# Altium PCB JacdacKeycapButtonBc30 135.PcbDoc (continued)
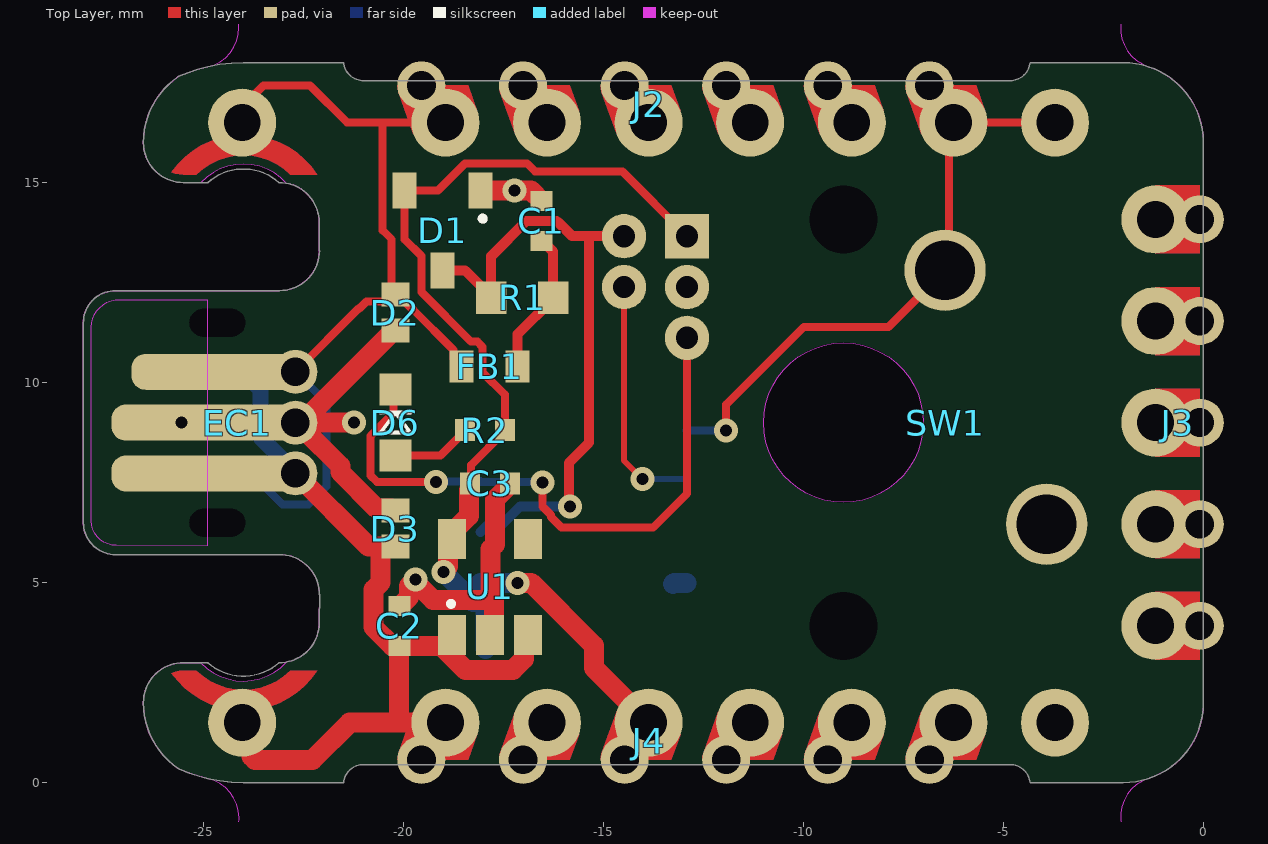
[diagram p0: Top Layer view]
## Footprints (in the part's own frame and the unit in brackets; to place one, negate y for a bottom-side part, rotate by r counter-clockwise, add the part's x,y. Pads: shape width x height; smd on the part's side, far side on the other; paste and mask are expansions set on the pad) (continued)
  Bottom Layer region: 9.631,7.786 9.273,7.658 9.16,7.835 8.982,7.945 8.774,7.967 8.577,7.896 8.43,7.747 8.363,7.55 8.387,7.342 8.387,7.342 8.029,7.214 7.651,8.272 7.635,8.35 7.63,8.43 7.63,8.43 7.87,8.43 7.906,8.274 8.006,8.149 8.15,8.079 8.31,8.079 8.454,8.149 8.554,8.274 8.59,8.43 8.59,8.43 9.399,8.43
  Bottom Layer region: 4.551,7.786 4.193,7.658 4.08,7.835 3.902,7.945 3.694,7.967 3.497,7.896 3.35,7.747 3.283,7.55 3.307,7.342 3.307,7.342 2.949,7.214 2.571,8.272 2.555,8.35 2.55,8.43 2.55,8.43 2.79,8.43 2.826,8.274 2.926,8.149 3.07,8.079 3.23,8.079 3.374,8.149 3.474,8.274 3.51,8.43 3.51,8.43 4.319,8.43
  Bottom Layer region: 7.091,7.786 6.733,7.658 6.62,7.835 6.442,7.945 6.234,7.967 6.037,7.896 5.89,7.747 5.823,7.55 5.847,7.342 5.847,7.342 5.489,7.214 5.111,8.272 5.095,8.35 5.09,8.43 5.09,8.43 5.33,8.43 5.366,8.274 5.466,8.149 5.61,8.079 5.77,8.079 5.914,8.149 6.014,8.274 6.05,8.43 6.05,8.43 6.859,8.43
  body extent -2.19,6.64 19.85,8.44, height 0
JACDAC_EDGE_CONNECTOR_NO_TRACES_3D_PADS [mm] "Jacdac 3 pin connector with no traces and with 3D bodies for the copper"
  rrect78% 0.9x2.9 smd far side paste-1 mask+0: 1(-1.27,3.2)
  rrect78% 0.9x4.3 smd paste-1 mask+0: 1(1.27,2.5)
  round 1.1 hole 0.71 paste-0.254 mask+0: 1(1.27,0.55) 2(0,0.55) 3(-1.27,0.55)
  rrect78% 0.9x3.4 smd far side paste-1 mask+0: 2(0,3.45) 2(0,3.45) 3(1.27,3.45)
  rrect78% 0.9x4.8 smd paste-1 mask+0: 2(0,2.75) 3(-1.27,2.75)
  round 0 hole 0.7 slot 1.4 at 90 deg unplated mask+0: ""(-2.5,2.5) ""(2.5,2.5)
  Top Layer keep-out region: -3.075,2.75 -3.07,5.033 -2.987,5.341 -2.761,5.567 -2.453,5.65 -2.453,5.65 2.27,5.65 2.545,5.635 2.794,5.516 2.978,5.31 3.07,5.05 3.07,5.05 3.07,2.75
  Bottom Layer lines w0.2: -1.27,0.85 -1.126,0.85
  Bottom Layer keep-out region: -3.07,2.75 -3.07,5.033 -3.023,5.269 -2.889,5.469 -2.689,5.603 -2.453,5.65 -2.453,5.65 2.27,5.65 2.546,5.635 2.794,5.516 2.978,5.31 3.07,5.05 3.07,5.05 3.07,2.75
  body extent -1.83,0 1.83,5.15, height 0.01
MX1A-11NW [mil] "Mechanical keyswitch mount SPST"
  round 80 hole 59 paste-10: 1(-150,100) 2(100,200)
  round 0 hole 67 unplated paste-10: 3(-200,0) 3(200,0)
  round 0 hole 157.48 unplated paste-10: 3(0,0)
  Keep-Out Layer board cut-out: 0,-78.5 -30.04,-72.52 -55.51,-55.51 -72.52,-30.04 -78.5,0 -78.5,0 -72.52,30.04 -55.51,55.51 -30.04,72.52 0,78.5 0,78.5 30.04,72.52 55.51,55.51 72.52,30.04 78.5,0 78.5,0 72.52,-30.04 55.51,-55.51 30.04,-72.52 0,-78.5
  body extent -307,-307 307,307, height 598
"NXP-BAT54S-TO-236AB - WITHOUT OUTLINE" [mm] "SOT23, 3-Leads, Body 2.90x2.30mm, Pitch 0.95mm, IPC Medium Density"
  rect 0.9x0.6 smd: 1(-1,0.95) 2(-1,-0.95) 3(1,0)
  silkscreen extent -0.35,0.95 -0.25,1.05, body extent -1.32,-1.5 1.32,1.5, height 1.12
"ON_SEMI-SOT23-5 - WITHOUT OUTLINE" [mm]
  rect 1x0.7 smd: 1(-1.2,0.95) 3(-1.2,-0.95) 4(1.2,-0.95) 5(1.2,0.95)
  rect 1x0.7 smd mask+0.01: 2(-1.2,0)
  silkscreen extent -0.47,0.92 -0.38,1.02, body extent -1.5,-1.57 1.5,1.58, height 1.1
"R0402 - Without outline" [mm]
  rect 0.5x0.55 smd: 1(-0.5,0) 2(0.5,0)
  body extent -0.5,-0.25 0.5,0.25, height 0.35
RC0603 [mil]
  rect 30x32 smd: 1(-30.5,0) 2(30.5,0)
  body extent -31,-16 32,16, height 28
SOP-8 [mm] "Pitch:1.27mm,Width:150mil"
  rect 1.25x0.55 smd: 1(-2.575,1.905) 2(-2.575,0.635) 3(-2.575,-0.635) 4(-2.575,-1.905) 5(2.575,-1.905) 6(2.575,-0.635) 7(2.575,0.635) 8(2.575,1.905)
  silkscreen extent -1.52,1.85 -1.43,1.95, body extent -3,-2.55 3,2.54, height 1.3
"TDK MPZ1608 0.8mm - without outline" [mm]
  rect 0.6x0.8 smd paste-0.1: 1(-0.7,0) 2(0.7,0)
  body extent -0.8,-0.4 0.8,0.4, height 0.8
"TVS 0402 - XL" [mm] "TVS 0402 RoHS"
  rect 0.6x0.7 smd paste-0.06 mask+0.05: 1(-0.45,0) 2(0.45,0)
  body extent -0.5,-0.3 0.5,0.3, height 0.5

## Part data
C1: "CAP CER 33PF 50V C0G/NP0 0402", Capacitance=33pF, Case Code (Imperial)=0402, Case Code (Metric)=1005, Dielectric=C0G, Manufacturer=Samsung, Max Operating Temperature=125°C, Min Operating Temperature=-55°C, Package Quantity=1, Supplier Part Number 1=1276-1272-1-ND, Temperature Coefficient=300ppm/°C, Tolerance=5%, Voltage=50V, Case/Package=0402, Category="Ceramic Capacitors", ComponentLink1Description="Online datasheet", ComponentLink1URL=https://datasheet.ciiva.com/15195/getdatasheetpartid-355282-15195687.pdf, Construction=Flat, Contact Plating=Tin, Depth=0.5mm, Height=0.5mm, Lead Free="Lead Free", Length=1mm, Manufacturer Part Number=CL05C330JB5NNNC, Material=Ceramic, Mount="Surface Mount", Packaging="Tape and Reel", Pricing 1="1=0.10000, 10=0.02300, 50=0.01260, 100=0.01040, 500=0.00740, 1000=0.00582, 2500=0.00529, 5000=0.00487 (USD)", Pricing 2="1=0.12500, 25=0.02900, 100=0.01300, 250=0.01100, 500=0.00900, 1000=0.00600 (USD)", Pricing 3="1=0.10000, 10=0.01400, 50=0.01400, 100=0.01100, 1000=0.00600, 10000=0.00400 (USD)", Pricing 4="150=0.01120, 500=0.00860, 2500=0.00640, 5000=0.00550 (GBP)", Radiation Hardening=No, RoHS=Yes, RoHS Compliant=Yes, Series=CL, Stock 1=5436088, Stock 2=45340, Stock 3=8877, Stock 4=10934, Supplier 1=Digi-Key, Supplier 2=Newark, Supplier 3=Mouser, Supplier 4=Farnell, Supplier Part Number 2=82AC9259, Supplier Part Number 3=187-CL05C330JB5NNNC, Supplier Part Number 4=3013373RL, Thickness=0.022inch, Voltage Rating=50V, Voltage Rating (DC)=50V, Width=0.02inch
C2 C3 C4: "CAP CER 1UF 10V X5R 0402", Capacitance=1µF, Case Code (Imperial)=0402, Case Code (Metric)=1005, Dielectric=X5R, Manufacturer=Samsung, Max Operating Temperature=85°C, Min Operating Temperature=-55°C, Package Quantity=1, Supplier Part Number 1=1276-1076-1-ND, Tolerance=10%, Voltage Rating=10V, Case/Package=0402, Category=Capacitors, Checked=?, ComponentLink1Description="Online datasheet", ComponentLink1URL=https://datasheet.ciiva.com/15195/getdatasheetpartid-358390-15195630.pdf, Contact Plating=Tin, Created=DG, Depth=0.5mm, Height=0.5mm, Length=1mm, Manufacturer Part Number=CL05A105KP5NNNC, Material=Ceramic, Mount="Surface Mount", Packaging="Tape and Reel", Pricing 1="1=0.10000, 10=0.03900, 50=0.02100, 100=0.01720, 500=0.01228, 1000=0.00965, 2500=0.00877, 5000=0.00807 (USD)", Pricing 2="1=0.10000, 10=0.04200, 100=0.01800, 500=0.01300, 1000=0.01000, 2500=0.00900 (USD)", Pricing 3="10=0.02450, 100=0.02000, 500=0.01310, 2500=0.00920, 5000=0.00810, 10000=0.00640, 50000=0.00490 (GBP)", Radiation Hardening=No, RoHS=Yes, Stock 1=5705569, Stock 2=928941, Stock 3=53670, Supplier 1=Digi-Key, Supplier 2=Mouser, Supplier 3=Farnell, Supplier Part Number 2=187-CL05A105KP5NNNC, Supplier Part Number 3=3013329, Thickness=0.022inch, Width=0.02inch
D1: "DIODE ARRAY SCHOTTKY 30V SOT23", Manufacturer=Nexperia, Manufacturer Part Number=BAT54S,235, Supplier Part Number 1=1727-1868-1-ND, Category="Rectifier Diodes", ComponentLink1Description="NXP datasheet online", ComponentLink1URL=https://assets.nexperia.com/documents/data-sheet/BAT54_SER.pdf, Pricing 1="1=0.13000, 10=0.11900, 100=0.05610, 500=0.03326, 1000=0.02185, 5000=0.02138 (USD)", RoHS=No, Stock 1=14011, Supplier 1=Digi-Key, Supplier 2=Mouser, Supplier 3=RSComponents, Supplier Part Number 2=771-BAT54S235, Supplier Part Number 3=1707990
D2 D3: "Bidirectional 5V (Max) 6V 16V 3.5A (8/20us) 0402 TVS RoHS", Manufacturer="Born Semiconductor", Package=0402, Supplier1 Part Number=C316043, Checked By=?, ComponentLink1Description="Online datasheet", ComponentLink1URL=https://datasheet.lcsc.com/szlcsc/Bourne-Semicon-Shenzhen-RCLAMP0521P-N_C316043.pdf, Created By="D Gakure", Manufacturer Part Number=RCLAMP0521P-N, Supplier1=LCSC
D6: library part 19-217/S2C-AQ1R1B/3T, "LED ORANGE DIFFUSED 1608 SMD", Case Code (Imperial)=0603, Case Code (Metric)=1608, Color=Orange, Forward Voltage=2.05V, Lens Color=White, Manufacturer="Everlight Elec", Supplier Part Number 1=C146215, Test Current=25mA, Case/Package=0603, Category=LEDs, Colour=Orange, ComponentLink1Description="Online datasheet", ComponentLink1URL=https://datasheet.lcsc.com/lcsc/1912171731_Everlight-Elec-19-217-S2C-AQ1R1B-3T_C146215.pdf, Dominant Wavelength=605nm, Height=0.65mm, Lead Free="Lead Free", Length=1.6mm, Lens Transparency=Diffused, Luminous Intensity=100mcd, Manufacturer Part Number=19-217/S2C-AQ1R1B/3T, Mount="Surface Mount", RoHS=Yes, Supplier 1=LCSC, Width=0.8mm
EC1: library part "Jacdac edge connector", "3 pin Jacdac edge connector 1.27mm pitch", Manufacturer Part Number=JACDAC_EDGE_CONNECTOR, Checked By=?, ComponentLink1Description="Yuliang JACDAC cable connector drawing online", ComponentLink1URL=https://github.com/microsoft/jacdac-mdk/blob/main/connector/JACDAC-Connector-by-Yuliang-2020-11-28.pdf, ComponentLink2Description="JACDAC PCB edge connector spec onlin", ComponentLink2URL=https://github.com/microsoft/jacdac-mdk/blob/main/connector/JACDAC_PCB_Edge_Connector_Drawing_JD-PEC-01_rev_01.pdf, Created By="D. Gakure", PCB Type="1.6mm FR4"
FB1: "0603 1k@100MHz 0.8A chip", Case Code (Imperial)=0603, Case Code (Metric)=1608, Current Rating=800mA, DC Resistance (DCR)=300mR, Manufacturer=TDK, Manufacturer Part Number=MPZ1608S102ATA00, Package Quantity=4000, Supplier Part Number 1=445-8694-1-ND, Tolerance=25%, Case/Package=0603, ComponentLink2Description="datasheet online", ComponentLink2URL=https://www.mouser.co.uk/datasheet/2/400/eads_commercial_power_mpz1608_en-923650.pdf, ComponentLink3Description=datasheet, ComponentLink3URL="Y:\System\Altium\Libraries 2014\TDK\Datasheets\eads_commercial_power_mpz1608_en-923650.pdf", Core Material=Ferrite, Height=0.037inch, Impedance="1kR @ 100MHz", Length=0.063inch, Max DC Current=800mA, Mount="Surface Mount", Packaging="Tape and Reel", Pricing 1="1=0.1, 10=0.079, 25=0.0716, 50=0.0644, 100=0.0472, 250=0.03432, 500=0.03146, 1000=0.02717 (USD)", Stock 1=113542, Supplier 1=Digi-Key, Supplier 2=Mouser, Supplier Part Number 2=810-MPZ1608S102ATA00, Width=0.031inch
J1: library part HACK_CONNECT_MINI
J2: library part "Jacdac BC30 stamp holes 20mm top", "2.54mm, 6/8 way", Manufacturer=Generic, Manufacturer Part Number=TBD
J3: library part "Jacdac BC30 stamp holes 10mm right", "2.54mm, 5 way", Manufacturer=Generic, Manufacturer Part Number=TBD
J4: library part "Jacdac BC30 stamp holes 20mm bottom", "2.54mm, 6/8 way", Manufacturer=Generic, Manufacturer Part Number=TBD
R1: library part RC0603FR-07220RL, "Res Thick Film 0603 220 Ohm 1% 0.1W(1/10W) ±100ppm/°C Pad SMD T/R", Case Code (Imperial)=0603, Case Code (Metric)=1608, Manufacturer="= Manufacturer 1", Manufacturer 1="=\"Manufacturer\"", Manufacturer Part Number="= Manufacturer Part Number 1", Manufacturer Part Number 1="=\"Manufacturer Part Number\"", Max Operating Temperature=155°C, Max Power Dissipation=100mW, Min Operating Temperature=-55°C, Package Quantity=1, Resistance Tolerance=1%, Resistor Type="Thick Film", Supplier Part Number 1=311-220HRCT-ND, Temperature Coefficient=100ppm/°C, Voltage Rating=50V, Case/Package=0603, Category="Chip SMD Resistors", Comment 1=5%, Comment 2=>0.12W, ComponentLink4Description="online datasheet", ComponentLink4URL=https://datasheet.ciiva.com/46395/443971-46395002.pdf, Construction=Rectangular, Depth=0.8mm, Features="Moisture Resistant", Height=0.022inch, Lead Free="Lead Free", Length=1.6mm, Military Standard=Not, Number of Pins=2, Number of Terminations=2, Packaging="Tape and Reel", Power Rating=100mW, Pricing 1="1=0.10000, 10=0.02300, 100=0.00930, 1000=0.00417, 2500=0.00362 (USD)", REACH SVHC="No SVHC", Resistance=220R, RoHS=Yes, RoHS Compliant=Yes, Series=RC, Size Code=0603, Stock 1=1257522, Supplier 1=Digi-Key, Supplier 2=Farnell, Supplier 3=Mouser, Supplier 4=RSComponents, Supplier Part Number 2=2421863, Supplier Part Number 3=603-RC0603FR-07220RL, Supplier Part Number 4=1995497, Termination=SMD/SMT, Tolerance=1%, Voltage Rating (DC)=50V, Width=0.031inch
R2: "RES SMD 1K OHM 1% 1/16W 0402", Case Code (Imperial)=0402, Case Code (Metric)=1005, Manufacturer=Yageo, Max Operating Temperature=155°C, Min Operating Temperature=-55°C, Power Rating=62.5mW, Resistance=1k, Resistor Type="Thick Film", Supplier Part Number 1=311-1.00KLRDKR-ND, Temperature Coefficient=100ppm/°C, Tolerance=1%, Voltage Rating=50V, Case/Package=0402, Category=Resistors, Checked=?, ComponentLink2Description="Online datasheet", ComponentLink2URL=https://datasheet.ciiva.com/12666/pyu-rc0402-51-rohs-l-6-r-12666741.pdf, Created=D.G, Depth=0.5mm, Height=0.32mm, Lead Free="Lead Free", Length=1mm, Manufacturer Part Number=RC0402FR-071KL, Military Standard=Not, Number of Pins=2, Packaging="Tape and Reel", Pricing 1="1=0.10000, 10=0.01400, 100=0.00580, 1000=0.00262, 2500=0.00228, 5000=0.00188 (USD)", Pricing 2="1=0.10000, 10=0.01200, 100=0.00400, 1000=0.00400, 2500=0.00400, 10000=0.00300 (USD)", Pricing 3="1=0.08130, 25=0.01210, 100=0.01120, 250=0.01030, 500=0.00900 (GBP)", REACH SVHC=Unknown, RoHS=Yes, Stock 1=37591306, Stock 2=11912978, Stock 3=29900, Supplier 1=Digi-Key, Supplier 2=Mouser, Supplier 3=Farnell, Supplier Part Number 2=603-RC0402FR-071KL, Supplier Part Number 3=2132441, Termination=SMD/SMT, Voltage Rating (DC)=50V, Width=0.5mm
SW1: library part MX1A-11NW, "Pushbutton Switch SPST-NO Keyswitch Through Hole", Case/Package=Module, Contact Current Rating=10mA, Contact Resistance=200mR, Flammability Rating="UL94 HB", Insulation Resistance=100MR, Manufacturer 1=Cherry, Max Current Rating=100mA, Max Operating Temperature=70°C, Max Voltage Rating (AC)=12V, Min Operating Temperature=-10°C, Operating Force=0.58N, Package Quantity=1000, Supplier Part Number 1=CH160-ND, Actuator Length=3.6mm, Actuator Type=PLUNGER, Category="Pushbutton Switches", ComponentLink1Description="datasheet (offline)", ComponentLink1URL="Y:\System\Altium\Libraries 2014\Cherry\Datasheets\MX1A-11NW.pdf", ComponentLink2Description="datasheet (online)", ComponentLink2URL=http://www.farnell.com/datasheets/2775479.pdf, Contact Material=Gold,Silver, Contact Plating=Gold, Contact Type="1 maker", Current Rating=10mA, Electrical Life=50000000Cycles, Housing Material=Thermoplastic, Illumination Type=Illuminated, Lead Free="Lead Free", Manufacturer Part Number 1=MX1A-11NW, Max Voltage Rating (DC)=12V, Mount="Through Hole,PCB", Number of Pins=2, Number of Terminals/Pins=2, Orientation=Straight, Packaging=Bulk, Pricing 1="1=0.94000, 10=0.83800, 25=0.79520, 50=0.75640, 100=0.72110, 250=0.68932, 500=0.61862, 1000=0.58328 (USD)", REACH SVHC=Unknown, RoHS=Yes, RoHS Compliant=Yes, Row Spacing=6.35mm, Series=MX, Stock 1=55920, Supplier 1=Digi-Key, Supplier 2=Farnell, Supplier 3=Mouser, Supplier Part Number 2=2292961, Supplier Part Number 3=540-MX1A-11NW, Switch Function=Off-Mom, Switching Current=10mA, Terminal Pitch=2.54mm, Termination="PC Pin", Throw Configuration=SPST, Voltage Rating (AC)=12V, Voltage Rating (DC)=12V
U1: library part NCP114BSN330T1G, "CMOS Low Dropout Regulator (LDO), 300 mA 3.3V, Non-Active Discharge, TSOP5", Case/Package=TSOP, Manufacturer="ON Semiconductor", Max Input Voltage=5.5V, Max Operating Temperature=85°C, Max Output Current=300mA, Min Input Voltage=1.7V, Min Operating Temperature=-40°C, Output Voltage=3.3V, Quiescent Current=50uA, Supplier Part Number 1=NCP114BSN330T1GOSCT-ND, Accuracy=2%, Category="Voltage Regulators - Linear", ComponentLink1Description="Datasheet (online)", ComponentLink1URL=http://www.farnell.com/datasheets/2118270.pdf?src-supplier=Farnell, Lead Free="Lead Free", Manufacturer Part Number=NCP114BSN330T1G, Mount="Surface Mount", Number of Outputs=1, Number of Pins=5, Output Type=Fixed, Polarity=Positive, Pricing 1="1=0.45000, 10=0.33700, 25=0.29440, 100=0.19060, 250=0.15780, 500=0.12624, 1000=0.09679 (USD)", RoHS=Yes, RoHS Compliant=Yes, Stock 1=4067, Supplier 1=Digi-Key, Supplier 2=Mouser, Supplier 3=RSComponents, Supplier Part Number 2=863-NCP114BSN330T1G, Supplier Part Number 3=1263179
U2: library part PFS122-SO8, "8bit MTP MCU with 12-bit ADC", Manufacturer=PADAUK, Package=SOP-8, ComponentLink1Description="Online datasheet", ComponentLink1URL=http://www.padauk.com.tw/upload/doc/PFS122%20datasheet_EN_V001_20220518.pdf, Manufacturer Part Number=PFS122-S08

## Via types
v1: diameter 0.6, hole 0.3, Top Layer to Bottom Layer, tented both sides, 11 vias

## Nets (pads, with @x,y where several pads share a name; then routed paths per layer and width w, separated by ;. In a path a pad name is that pad's centre, name@x,y a point inside that pad or via, vN(x,y) a via of type N, cw(c..) or ccw(c..) an arc to the next point about the centre after c; other vN are vias at no path point)
3V3: C3.2 C4.2 D1.2 J1.1 J4.9 R2.2 U1.5 U2.1 | length 28.2
  Top Layer w0.2: C3.2 -18.313,7.502 -18.313,7.937 -17.462,8.787 R2.2 -17.462,9.698 -18.02,10.255 -18.02,10.892 -18.151,11.023 -18.309,11.023 -19.55,12.264 -19.55,13.162 -19.968,13.58 D1.2 -19.136,14.8 -18.461,15.475 -16.905,15.475 -16.705,15.275 -14.525,15.275 J1.1
  Top Layer w0.5: v1(-19.001,5.266) -19.001,5.293 -18.886,5.408 -18.886,5.995 -18.686,6.195 -18.686,6.345 -18.361,6.67 -18.361,7.311 -18.336,7.336 C3.2 ; v1(-17.145,4.995) -16.806,4.995 -15.24,3.429 -15.24,2.87 J4.9@-13.87,1.5
  Bottom Layer w0.5: v1(-19.001,5.266) -18.255,4.52 -18.1,4.52 -18.1,4.97 U2.1 v1(-17.145,4.995) ; C4.2 -17.949,4.52
BUTTON: J2.16 J2.18 SW1.1 U2.5 | length 14.8
  Top Layer w0.2: v1(-11.93,8.8) -11.93,9.455 -9.992,11.394 -7.876,11.394 SW1.1 -6.355,12.915 -6.355,16.395 -6.25,16.5 J2.18
  Bottom Layer w0.2: U2.5 -12.922,8.802 -11.933,8.802 v1(-11.93,8.8)
GND: C1.1 C2.1 C3.1 C4.1 D1.1 D2.2 D3.2 EC1.2 J1.3 J2.8 J4.7 SW1.2 U1.2 U2.8 | length 17.3
  Top Layer w0.2: D3.2@-20.25,6.8 D3.2
  Top Layer w0.5: EC1.2@-22.7,9 EC1.2@-22.55,9 ; v1(-21.232,9) EC1.2@-22.45,9 ; D3.2@-20.25,6.8 -20.3,6.85 -20.665,6.85 -21.575,7.76 -21.575,7.913 -22.485,8.823 -22.485,8.965 EC1.2@-22.45,9 ; D2.2 -20.25,11.3 EC1.2@-22.55,9 ; C2.1 -20.075,4.42 -19.855,4.64 -19.855,4.92 v1(-19.7,5.075) -19.681,5.056 -19.681,4.992 -19.26,4.57 -17.786,4.57 -17.736,4.52 ; D1.1 v1(-17.229,14.8) -16.808,14.8 C1.1 ; U1.2 -17.736,3.795 -17.736,4.52 ; C3.1 -17.336,7.454 -17.711,7.079 -17.711,5.951 -17.82,5.843 -17.82,4.715 -17.736,4.632 -17.736,4.52 ; EC1.2@-22.55,9 EC1.2@-22.45,9
  Bottom Layer w0.5: U2.8@-13.257,4.97 -13.232,4.995 U2.8
  other v1: -25.55,9
ICPCK: J1.4 U2.6 | length 6.1
  Top Layer w0.15: J1.4 -14.485,8.05 v1(-14.025,7.59)
  Bottom Layer w0.15: v1(-14.025,7.59) -12.98,7.59 U2.6
JD_DATA: D2.1 EC1.1 FB1.1 J2.2 J2.6 | length 23.4
  Top Layer w0.2: J2.2 -24.03,16.899 -23.499,17.43 -22.336,17.43 -21.406,16.5 -20.518,16.5 ; EC1.1@-22.7,10.27 -21.12,11.85 -21.1,11.85 -20.925,12.025 -20.325,12.025 D2.1@-20.25,12.1 ; D2.1@-20.2,12.125 D2.1 ; J2.6@-18.95,16.5 -20.518,16.5 ; FB1.1 -18.745,10.598 -18.745,10.813 -19.766,11.835 -19.785,11.835 -20.15,12.2 D2.1 ; -20.518,16.5 -20.518,13.809 -20.293,13.584 -20.293,12.293 D2.1
  Bottom Layer w0.2: EC1.1@-25.35,7.73 -25.155,7.535 -23.592,7.535 ; -23.597,7.531 -23.021,6.955 -22.379,6.955 -21.925,7.409 -21.925,9.495 EC1.1@-22.7,10.27
JD_DATA_MCU/ICPDA: D1.3 J1.2 R1.1 U2.2 | length 15.8
  Top Layer w0.25: D1.3 -18.456,12.8 R1.1@-17.806,12.15 ; R1.1 R1.1@-17.806,12.15 ; v1(-15.832,6.903) -15.865,6.935 -15.865,7.994 -15.36,8.499 -15.36,13.66 ; J1.2 -15.36,13.66 ; R1.1@-17.806,12.15 -17.806,13.162 -16.927,14.041 -16.17,14.041 -16.139,14.01 -16.13,14.01 -15.78,13.66 -15.36,13.66
  Bottom Layer w0.25: U2.2 -17.925,6.415 -17.575,6.415 -17.087,6.903 v1(-15.832,6.903)
JD_PWR: C2.2 D3.1 EC1.3 J4.1 J4.5 U1.1 U1.3 | length 26.2
  Top Layer w0.5: EC1.3@-24.9,7.73 -22.7,7.73 -20.87,5.9 -20.575,5.9 ; J4.1 -23.8,1.27 -23.8,0.658 -23.712,0.57 -22.273,0.57 -21.343,1.5 ; -21,1.5 -21.343,1.5 ; D3.1 -20.575,5.9 ; C2.2@-20.105,3.42 -20.105,1.645 -20.25,1.5 ; J4.5@-18.95,1.5 -20.25,1.5 ; U1.1 -18.778,3.695 -18.778,3.553 -18.886,3.445 -19.028,3.445 U1.1@-19.053,3.42 ; U1.3 -16.986,3.595 -16.986,3.094 -17.261,2.82 -18.453,2.82 U1.1@-19.053,3.42 ; -21.343,1.5 -20.25,1.5 ; -20.575,5.9 -20.575,5 -20.75,4.825 -20.75,3.888 -20.282,3.42 U1.1@-19.053,3.42
  Bottom Layer w0.4: EC1.3@-25.6,10.27 -25.443,10.113 -23.857,10.113 -23.575,9.831 -23.575,8.638 -22.7,7.763 EC1.3@-22.7,7.73
JD_STATUS/ICVPP: D6.1 J1.5 U2.3 | length 15.5
  Top Layer w0.2: D6.1 -20.251,9.774 -20.251,9.242 -20.825,8.668 -20.825,7.682 -20.663,7.52 v1(-19.19,7.52) ; v1(-16.524,7.506) -16.524,6.901 -16.311,6.688 -16.311,6.639 -16.05,6.378 -13.756,6.378 -12.91,7.224 J1.5
  Bottom Layer w0.2: v1(-19.19,7.52) -19.182,7.527 -18.083,7.527 U2.3 -18.06,7.52 -16.538,7.52 v1(-16.524,7.506)
NetC1_2: C1.2 FB1.2 R1.2 | length 3.6
  Top Layer w0.25: FB1.2 -17.145,11.212 -16.257,12.1 R1.2 -16.257,13.274 -16.524,13.541 C1.2
NetD6_2: D6.2 R2.1 | length 2
  Top Layer w0.2: D6.2 -19.075,8.175 -18.462,8.787 R2.1
pads on no net: EC1. J2.10 J2.12 J2.14 J3.R1 J3.R2 J3.R3 J3.R4 J3.R5 J4.11 J4.13 J4.15 J4.17 SW1.3 U1.4 U2.4 U2.7

## Polygon pours and split planes (outlines as drawn)
no net on Bottom Assy "NONET_L-01_P-001" (hatched 45Degree grid 0.15 track 0.01): -27,4 ccw(c-24,4) -24,1 ccw(c-24,4) -21,4 ccw(c-24,4) -24,7 ccw(c-24,4)
no net on Bottom Assy "NONET_L-01_P-001" (hatched 45Degree grid 0.15 track 0.01): -27,14.006 ccw(c-24,14.006) -24,11.006 ccw(c-24,14.006) -21,14.006 ccw(c-24,14.006) -24,17.006 ccw(c-24,14.006)
no net on Bottom Assy "NONET_L-01_P-001" (hatched 45Degree grid 0.15 track 0.01): -23.3,6.132 -27.2,6.132 cw(c-27.2,6.532) -27.6,6.532 -27.6,6.534 -27.6,11.477 -27.6,11.474 cw(c-27.2,11.474) -27.2,11.874 -27.198,11.874 -23.3,11.874
no net on Bottom Assy "NONET_L-01_P-001" (hatched 45Degree grid 0.3 track 0.01): -28,4 ccw(c-24,4) -21,1.355 -21,16.645 ccw(c-24,14) -28,14
no net on Bottom Assy "NONET_L-01_P-001" (hatched 45Degree grid 0.3 track 0.01): -24.82,1.38 cw(c-23.97,1.38) -23.97,2.23 cw(c-23.97,1.38) -23.12,1.38 cw(c-23.97,1.38) -23.97,0.53 cw(c-23.97,1.38)
no net on Bottom Assy "NONET_L-01_P-001" (hatched 45Degree grid 0.3 track 0.01): -24.82,16.62 ccw(c-23.97,16.62) -23.97,15.77 ccw(c-23.97,16.62) -23.12,16.62 ccw(c-23.97,16.62) -23.97,17.47 ccw(c-23.97,16.62)
no net on Bottom Assy "NONET_L-01_P-001" (hatched 45Degree grid 0.3 track 0.01): -7.39,17.55 ccw(c-6.79,17.55) -7.369,17.392 -6.99,16.334 ccw(c-6.19,16.62) -5.39,16.906 -5.389,16.906 -5.621,17.55 -6.43,17.55 cw(c-6.79,17.55) -7.15,17.55
no net on Bottom Assy "NONET_L-01_P-001" (hatched 45Degree grid 0.3 track 0.01): -9.93,17.55 ccw(c-9.33,17.55) -9.909,17.392 -9.53,16.334 ccw(c-8.73,16.62) -7.93,16.906 -7.929,16.906 -8.161,17.55 -8.97,17.55 cw(c-9.33,17.55) -9.69,17.55
no net on Bottom Assy "NONET_L-01_P-001" (hatched 45Degree grid 0.3 track 0.01): -12.47,17.55 ccw(c-11.87,17.55) -12.449,17.392 -12.07,16.334 ccw(c-11.27,16.62) -10.47,16.906 -10.469,16.906 -10.701,17.55 -11.51,17.55 cw(c-11.87,17.55) -12.23,17.55
no net on Bottom Assy "NONET_L-01_P-001" (hatched 45Degree grid 0.3 track 0.01): -15.01,17.55 ccw(c-14.41,17.55) -14.989,17.392 -14.611,16.334 ccw(c-13.81,16.62) -13.01,16.906 -13.241,17.55 -14.05,17.55 cw(c-14.41,17.55) -14.77,17.55
no net on Bottom Assy "NONET_L-01_P-001" (hatched 45Degree grid 0.3 track 0.01): -17.55,17.55 ccw(c-16.95,17.55) -17.529,17.392 -17.15,16.334 ccw(c-16.35,16.62) -15.55,16.906 -15.549,16.906 -15.781,17.55 -16.59,17.55 cw(c-16.95,17.55) -17.31,17.55
no net on Bottom Assy "NONET_L-01_P-001" (hatched 45Degree grid 0.3 track 0.01): -20.09,17.55 ccw(c-19.49,17.55) -20.069,17.392 -19.69,16.334 ccw(c-18.89,16.62) -18.09,16.906 -18.089,16.906 -18.321,17.55 -19.13,17.55 cw(c-19.49,17.55) -19.85,17.55
no net on Bottom Assy "NONET_L-01_P-001" (hatched 45Degree grid 0.3 track 0.01): -1.111,13.23 cw(c-1.111,14.08) -1.111,14.93 -0.001,14.93 -0.001,14.44 ccw(c-0.001,14.08) -0.001,13.72 -0.001,13.23
no net on Bottom Assy "NONET_L-01_P-001" (hatched 45Degree grid 0.3 track 0.01): -1.11,10.69 cw(c-1.11,11.54) -1.11,12.39 0,12.39 0,11.9 ccw(c0,11.54) 0,11.18 0,10.69
no net on Bottom Assy "NONET_L-01_P-001" (hatched 45Degree grid 0.3 track 0.01): -1.11,8.15 cw(c-1.11,9) -1.11,9.85 0,9.85 0,9.36 ccw(c0,9) 0,8.64 0,8.15
no net on Bottom Assy "NONET_L-01_P-001" (hatched 45Degree grid 0.3 track 0.01): -1.111,3.07 cw(c-1.111,3.92) -1.111,4.77 -0.001,4.77 -0.001,4.28 ccw(c-0.001,3.92) -0.001,3.56 -0.001,3.07
no net on Bottom Assy "NONET_L-01_P-001" (hatched 45Degree grid 0.3 track 0.01): -1.11,5.61 cw(c-1.11,6.46) -1.11,7.31 0,7.31 0,6.82 ccw(c0,6.46) 0,6.1 0,5.61
no net on Bottom Assy "NONET_L-01_P-001" (hatched 45Degree grid 0.3 track 0.01): -20.09,0.45 cw(c-19.49,0.45) -20.069,0.608 -19.69,1.666 cw(c-18.89,1.38) -18.09,1.094 -18.089,1.094 -18.321,0.45 -19.13,0.45 ccw(c-19.49,0.45) -19.85,0.45
no net on Bottom Assy "NONET_L-01_P-001" (hatched 45Degree grid 0.3 track 0.01): -17.55,0.45 cw(c-16.95,0.45) -17.529,0.608 -17.15,1.666 cw(c-16.35,1.38) -15.55,1.094 -15.549,1.094 -15.781,0.45 -16.59,0.45 ccw(c-16.95,0.45) -17.31,0.45
no net on Bottom Assy "NONET_L-01_P-001" (hatched 45Degree grid 0.3 track 0.01): -15.01,0.45 cw(c-14.41,0.45) -14.989,0.608 -14.611,1.666 cw(c-13.81,1.38) -13.01,1.094 -13.241,0.45 -14.05,0.45 ccw(c-14.41,0.45) -14.77,0.45
no net on Bottom Assy "NONET_L-01_P-001" (hatched 45Degree grid 0.3 track 0.01): -12.47,0.45 cw(c-11.87,0.45) -12.449,0.608 -12.07,1.666 cw(c-11.27,1.38) -10.47,1.094 -10.469,1.094 -10.701,0.45 -11.51,0.45 ccw(c-11.87,0.45) -12.23,0.45
no net on Bottom Assy "NONET_L-01_P-001" (hatched 45Degree grid 0.3 track 0.01): -9.93,0.45 cw(c-9.33,0.45) -9.909,0.608 -9.53,1.666 cw(c-8.73,1.38) -7.93,1.094 -7.929,1.094 -8.161,0.45 -8.97,0.45 ccw(c-9.33,0.45) -9.69,0.45
no net on Bottom Assy "NONET_L-01_P-001" (hatched 45Degree grid 0.3 track 0.01): -7.39,0.45 cw(c-6.79,0.45) -7.369,0.608 -6.99,1.666 cw(c-6.19,1.38) -5.39,1.094 -5.389,1.094 -5.621,0.45 -6.43,0.45 ccw(c-6.79,0.45) -7.15,0.45
GND on Bottom Layer "NONET_L-01_P-001" (solid, pour order 0): -26.5,2 ccw(c-24.5,2) -25.627,0.348 -25.627,0.346 ccw(c-24,4) -24.889,0.1 ccw(c-24,4) -24,0 -21.835,0 -21.834,0.002 cw(c-21,-0.55) -21,0.45 -4.83,0.45 cw(c-4.83,-0.55) -3.995,0 -2,0 ccw(c-2,2) -1.382,0.098 ccw(c-2,2) 0,2 0,16 ccw(c-2,16) -1.382,17.902 ccw(c-2,16) -2,18 -3.995,18 cw(c-4.83,18.55) -4.83,17.55 -21,17.55 cw(c-21,18.55) -21.834,17.998 -21.835,18 -24,18 ccw(c-24,14) -24.889,17.9 ccw(c-24,14) -25.627,17.654 -25.627,17.652 ccw(c-24.5,16) -26.5,16 ccw(c-25.5,16) -25.5,15 -25.069,15 -25.069,15.001 cw(c-24,14) -23.009,15.079 -23.01,15.077 -22.76,14.94 cw(c-23.099,14.007) -22.107,14.007 -22.1,14 -22.1,13.3 -22.098,13.3 cw(c-23.098,13.3) -23.098,12.3 -23.1,12.3 -27.2,12.3 ccw(c-27.2,11.5) -28,11.5 -28,6.5 ccw(c-27.2,6.5) -27.2,5.7 -23.1,5.7 cw(c-23.1,4.7) -22.1,4.7 -22.096,4.704 -22.104,3.996 -22.107,3.993 cw(c-23.099,3.993) -22.76,3.06 -23.01,2.923 -23.009,2.921 cw(c-24,4) -25.069,2.999 -25.069,3 -25.5,3 ccw(c-25.5,2)

## Keep-outs
Bottom Layer:
  circle w3: c-24,14 r1.5
  circle w3: c-24,4 r1.5

## Other copper
Top Layer:
  region net JD_PWR: -25.802,2.74 ccw(c-23.999,4.001) -22.158,2.797 -22.158,2.798 -22.827,2.798 cw(c-24,4) -25.173,2.798 -25.175,2.799 -25.5,2.799 ccw(c-25.5,2)
  region net JD_DATA: -25.802,15.26 cw(c-23.999,13.999) -22.158,15.203 -22.158,15.202 -22.827,15.202 ccw(c-24,14) -25.173,15.202 -25.175,15.201 -25.5,15.201 cw(c-25.5,16)
Bottom Layer:
  region net JD_PWR: -25.802,2.74 ccw(c-23.999,4.001) -22.158,2.797 -22.158,2.798 -22.827,2.798 cw(c-24,4) -25.173,2.798 -25.175,2.799 -25.5,2.799 ccw(c-25.5,2)
  region net JD_DATA: -25.802,15.26 cw(c-23.999,13.999) -22.158,15.203 -22.158,15.202 -22.827,15.202 ccw(c-24,14) -25.173,15.202 -25.175,15.201 -25.5,15.201 cw(c-25.5,16)

## Silkscreen, mask and mechanical layers (free items; w line width, h text height)
Bottom Overlay:
  region: -2.894,7.875 -2.894,9.325 -4.669,9.325 -4.669,7.875
  text ".ProjectCodenameID-.ProjectRevision" at -3.094,15.595 h1 r90
  text "MSR keycap button" at -15.857,15.395 h1 r90
Top Solder:
  region: -22.913,3.018 -21.846,2.213 -21.855,2.2 ccw(c-24,4) -21.2,4 -21.2,4.782 ccw(c-22.118,4.782) -22.118,5.7 -23.095,5.7
  region: -22.913,14.982 -21.846,15.787 -21.855,15.8 cw(c-24,14) -21.2,14 -21.2,13.218 cw(c-22.118,13.218) -22.118,12.3 -23.095,12.3
  lines w0.01: -22.913,3.018 -21.846,2.213 ; -22.905,3.019 -23.095,5.7 -22.118,5.7 cw(c-22.118,4.782) -21.2,4.782 -21.2,4 cw(c-24,4) -21.855,2.2
Bottom Solder:
  region: -22.913,3.018 -21.846,2.213 -21.855,2.2 ccw(c-24,4) -21.2,4 -21.2,4.782 ccw(c-22.118,4.782) -22.118,5.7 -23.095,5.7
  region: -22.913,14.982 -21.846,15.787 -21.855,15.8 cw(c-24,14) -21.2,14 -21.2,13.218 cw(c-22.118,13.218) -22.118,12.3 -23.095,12.3
Mechanical 1:
  lines w0.01: -25.802,2.738 ccw(c-24,4) -22.158,2.797 ; -25.802,2.74 cw(c-25.5,2) -25.5,2.799 ; -25.5,2.799 -25.175,2.799 ; -25.173,2.798 ccw(c-24,4) -22.827,2.798 -22.158,2.798 ; -20.09,17.55 -19.85,17.55 ; -19.13,17.55 -18.321,17.55 ; -17.55,17.55 -17.31,17.55 ; -16.59,17.55 -15.781,17.55 ; -15.01,17.55 -14.77,17.55 ; -14.05,17.55 -13.241,17.55 ; -12.47,17.55 -12.23,17.55 ; -11.51,17.55 -10.701,17.55 ; -9.93,17.55 -9.69,17.55 ; -8.97,17.55 -8.161,17.55 ; -6.43,0.45 -5.621,0.45 ; -6.43,17.55 -5.621,17.55 ; -4,18 cw(c-4,14) 0,14 ; -3.995,0 ccw(c-3.995,4) 0.005,4
  lines w0.05: -24.889,0.1 ccw(c-24,4) -24,0 -21.835,0 ; -24.889,17.9 cw(c-24,14) -24,18 -21.835,18 ; -21.834,0.002 cw(c-21,-0.55) -21,0.45 -4.83,0.45 cw(c-4.83,-0.55) -3.995,0 -2,0 ccw(c-2,2) -1.382,0.098 ; -21.834,17.998 ccw(c-21,18.55) -21,17.55 -4.83,17.55 ccw(c-4.83,18.55) -3.995,18 -2,18 cw(c-2,16) -1.382,17.902 ; -3.5,0 -2,0.5 -0.5,2 0,3.5
  lines w0.1: -25.627,0.346 ccw(c-24,4) -24.889,0.1 ; -25.627,0.348 cw(c-24.5,2) -26.5,2 cw(c-25.5,2) -25.5,3 -25.069,3 ; -25.627,17.652 ccw(c-24.5,16) -26.5,16 ccw(c-25.5,16) -25.5,15 ; -25.627,17.654 cw(c-24,14) -24.889,17.9 ; -25.069,2.999 ccw(c-24,4) -23.009,2.921 ; -25.069,15.001 cw(c-24,14) -23.009,15.079 ; -23.1,5.7 -27.2,5.7 cw(c-27.2,6.5) -28,6.5 -28,11.5 cw(c-27.2,11.5) -27.2,12.3 -23.1,12.3 ; -23.1,5.7 cw(c-23.1,4.7) -22.1,4.7 ; -23.098,12.3 ccw(c-23.098,13.3) -22.098,13.3 ; -23.01,2.923 -22.76,3.06 ccw(c-23.099,3.993) -22.107,3.993 ; -23.01,15.077 -22.76,14.94 cw(c-23.099,14.007) -22.107,14.007 ; -22.104,3.996 -22.096,4.704 ; -22.1,13.3 -22.1,14 ; -1.382,0.098 ccw(c-2,2) 0,2 0,16 ccw(c-2,16) -1.382,17.902 ; -25.5,15 -25.069,15 -25.5,15
Route Tool Path:
  lines w2: -29,6.5 ccw(c-27.2,6.5) -27.206,4.7 ; -29,11.5 cw(c-27.2,11.5) -27.2,13.3 -23.1,13.3 -23.1,14 ; -27.198,4.7 -23.1,4.7 ; -24.432,3.843 ccw(c-24,4) -23.568,3.843 ; -24.432,14.157 cw(c-24,14) -23.568,14.157 ; -23.103,4 -23.097,4.7 ; -23.1,4 -25.5,4 ccw(c-25.5,2) -27.5,2 ccw(c-24.5,2) -26.245,-0.44 ccw(c-25.627,0.346) -26.034,-0.568 ccw(c-24,4) -25.111,-0.875 -29,-0.875 -29,18.875 -25.111,18.875 ccw(c-24,14) -26.034,18.568 ; -23.1,14.002 -25.5,14 cw(c-25.5,16) -27.5,16 cw(c-24.5,16) -26.246,18.44 ; -21,18.55 -4.83,18.55 ; -20.998,-0.55 -4.832,-0.55 ; 1,1.997 cw(c-2,2) -1.073,-0.853 1,-0.853 1,2 1,16 1,18.853 -1.073,18.853 cw(c-2,16) 1,16.003 ; -26.246,18.44 cw(c-25.627,17.654) -26.034,18.568 ; -26.246,18.44 cw(c-25.627,17.654) -26.034,18.568
Mechanical 9:
  lines w0.01: -25.069,3 -24.892,3 ccw(c-24,4) -23.108,3 ccw(c-23.099,3.993) -22.106,3.993 ; -25.069,15 -24.892,15 cw(c-24,14) -23.108,15 cw(c-23.099,14.007) -22.106,14.007
Board Outline:
  lines w0.01: -25.627,0.346 ccw(c-24,4) -24.889,0.1 ccw(c-24,4) -24,0 -21.497,0 cw(c-21,-0.05) -21,0.45 -4.83,0.45 cw(c-4.83,-0.05) -4.333,0 -2,0 ccw(c-2,2) -1.382,0.098 ccw(c-2,2) 0,2 0,16 ccw(c-2,16) -1.382,17.902 ccw(c-2,16) -2,18 -4.333,18 cw(c-4.83,18.05) -4.83,17.55 -21,17.55 cw(c-21,18.05) -21.497,18 -24,18 ccw(c-24,14) -24.889,17.9 ccw(c-24,14) -25.627,17.654 ; -25.627,0.348 cw(c-24.5,2) -26.5,2 cw(c-25.5,2) -25.5,3 -25.069,3 ; -25.627,17.652 ccw(c-24.5,16) -26.5,16 ccw(c-25.5,16) -25.5,15 ; -23.1,5.7 -27.2,5.7 cw(c-27.2,6.5) -28,6.5 -28,11.5 cw(c-27.2,11.5) -27.2,12.3 -23.1,12.3 ; -23.1,5.7 cw(c-23.1,4.7) -22.1,4.7 ; -23.098,12.3 ccw(c-23.098,13.3) -22.098,13.3 ; -22.106,3.993 -22.096,4.704 ; -22.1,13.3 -22.1,14 ; -0.2,3.92 0.2,3.92 ; -0.2,6.46 0.2,6.46 ; -0.2,9 0.2,9 ; -0.2,11.54 0.2,11.54 ; -0.2,14.08 0.2,14.08 ; -25.5,15 -25.069,15 -25.5,15
Component Keepout Dwg:
  circle w0.01: c-24,4 r4
  circle w0.01: c-24,4 r3.5
  circle w0.01: c-24,14 r3.5
  circle w0.01: c-24,14 r4
  lines w0.01: -28,4 -28,14
  lines w0.025: -28,4 ccw(c-24,4) -21,1.355 ; -28,14 cw(c-24,14) -21,16.645 -21,1.355
Routing Keepout Dwg:
  circle w0.025: c-24,14 r3
  circle w0.025: c-24,4 r3
Construction:
  drawing of 154 lines, arcs and shapes, not listed
  text "unit rectangle" at -8.334,19 h1
  text "EC30 compat footprint" at 1.975,-0.325 h1

## Text inside footprints (layer, text, board x,y; h text height)
J2: Alignment "centre of GND finger TH" at -21.776,7.5 h1
J3: Alignment "centre of GND finger TH" at -22.026,7.75 h1
J4: Alignment "centre of GND finger TH" at -21.776,7.5 h1